# Altium PCB Passive_Sonar_Rev1.PcbDoc (part 2 of 2)
Units mil, origin at the board's own origin, x right, y up, seen from the top; angles counter-clockwise.
Board outline 4015 x 2015 mil, 4 copper layers (Top Layer, Power, Ground, Bottom Layer); 218 components, 117 nets, 707 pads, 249 vias.
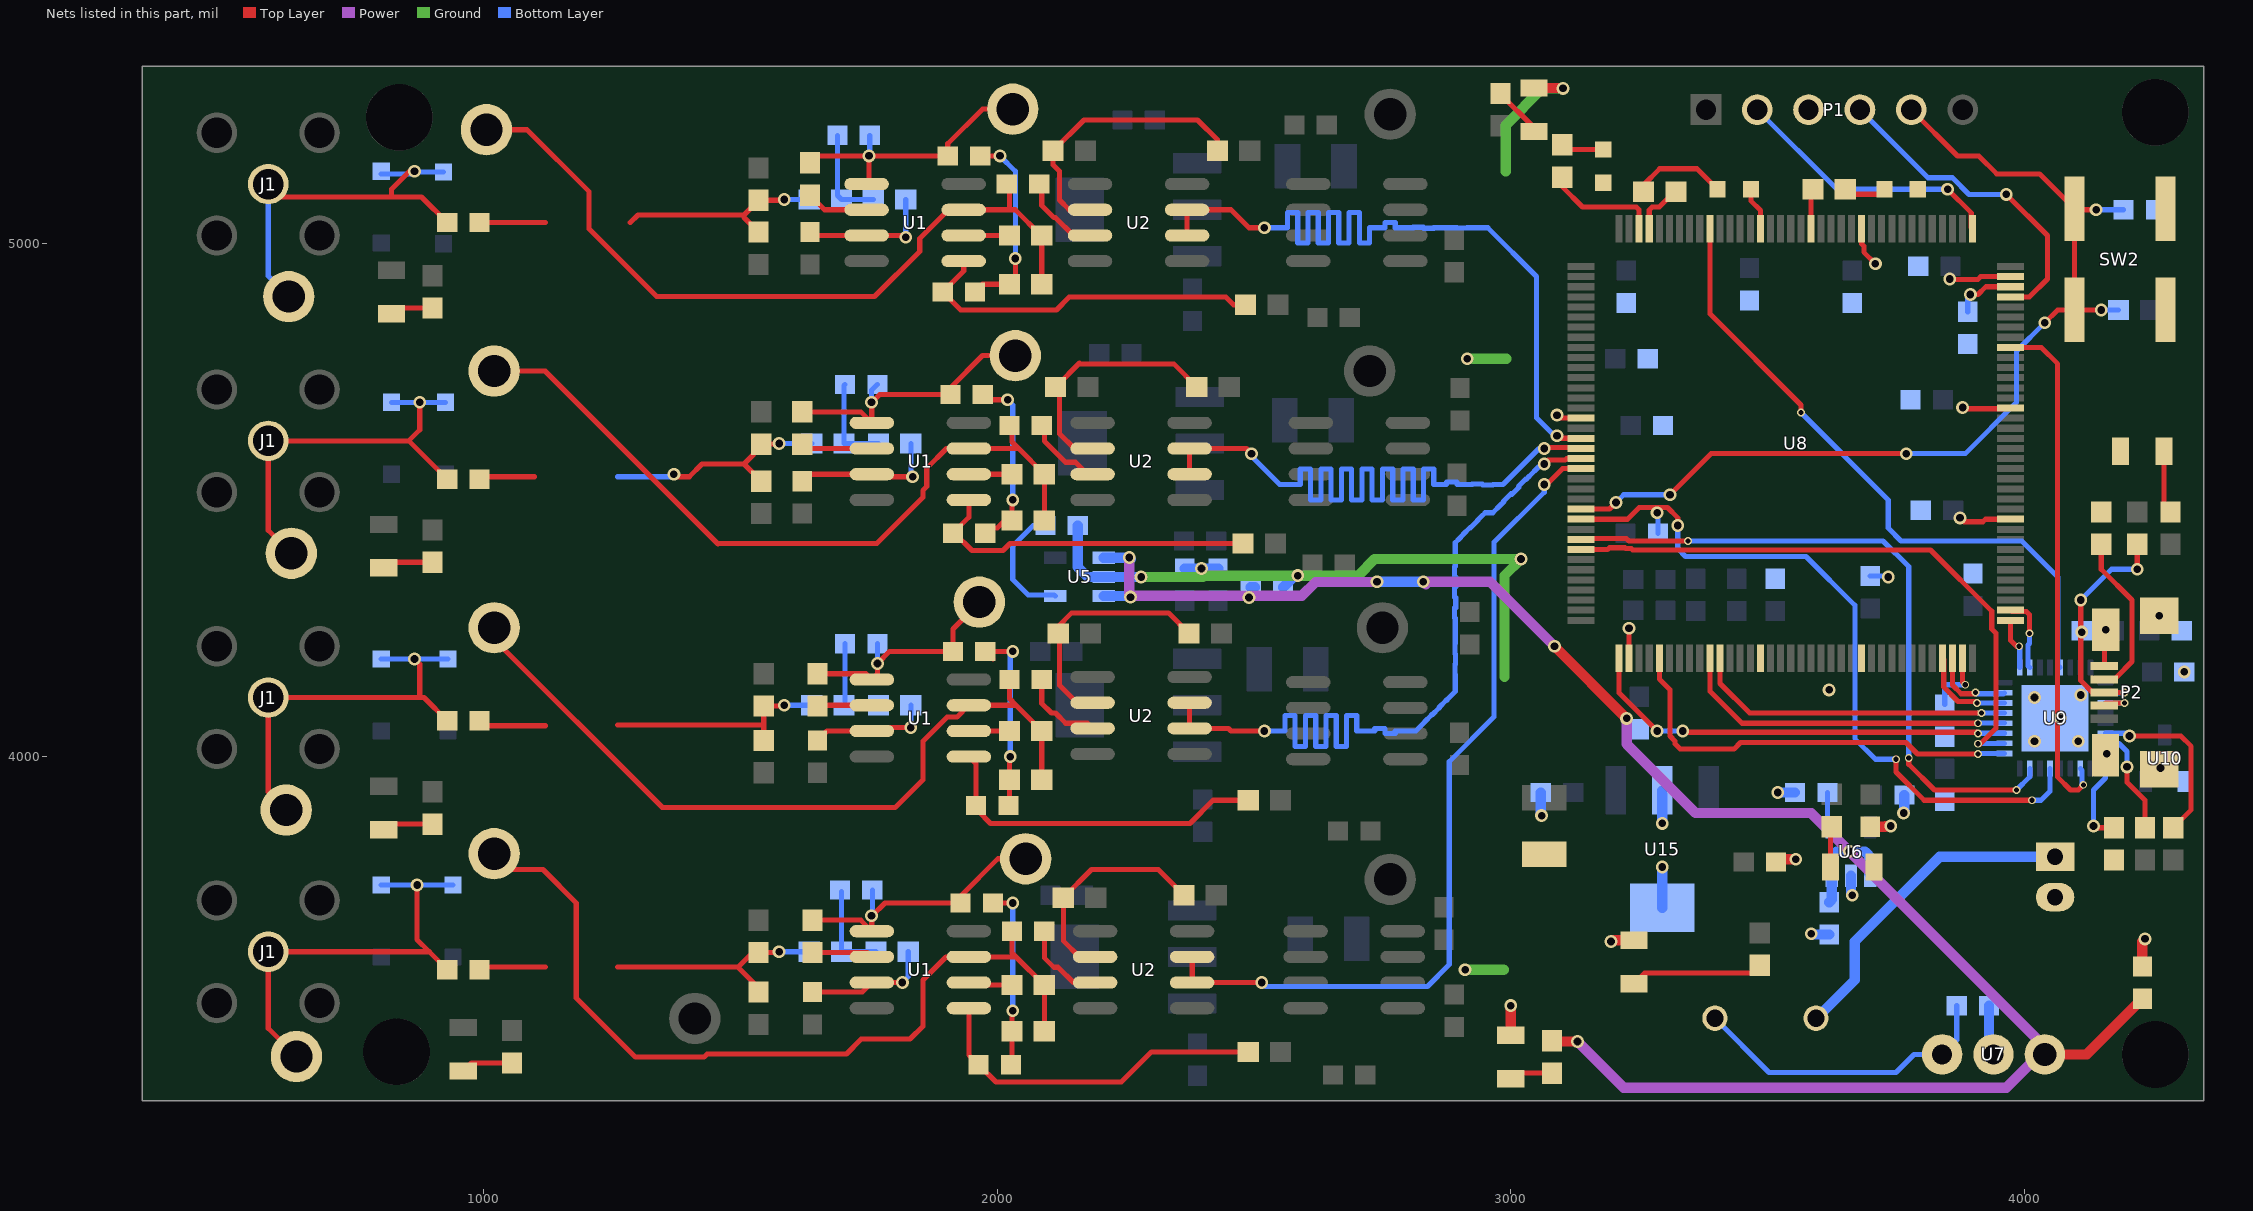
[diagram p4: the nets of this part, all layers, seen from the top]

## Via types
v1: diameter 25, hole 15, Top Layer to Bottom Layer, tented both sides, 79 vias
v2: diameter 25, hole 15, Top Layer to Ground, tented top, 46 vias
v3: diameter 25, hole 15, Top Layer to Power, tented top, 41 vias
v4: diameter 25, hole 15, Ground to Bottom Layer, tented bottom, 34 vias
v5: diameter 25, hole 15, Power to Bottom Layer, tented bottom, 29 vias
v6: diameter 15, hole 10, Top Layer to Bottom Layer, tented both sides, 19 vias
v7: diameter 25, hole 15, Top Layer to Bottom Layer, 1 vias

## Nets (pads, with @x,y where several pads share a name; then routed paths per layer and width w, separated by ;. In a path a pad name is that pad's centre, name@x,y a point inside that pad or via, vN(x,y) a via of type N, cw(c..) or ccw(c..) an arc to the next point about the centre after c; other vN are vias at no path point) (continued)
DGND: 3.3VD.C 5VA.C 5VD.C 9V.C C13.2 C14.2 C15.2 C16.2 C17.2 C18.2 C19.2 C20.2 C21.2 C22.2 C23.2 C24.2 C25.2 C26.2 C27.2 C28.2 C29.2 C30.2 C31.2 C32.2 C33.2 C34.2 C35.2 C36.2 C37.2 C38.2 C39.2 C40.2 C41.2 C42.2 C43.2 C48.2 C49.2 J5.2 NT1.2 NT2.2 NT3.2 NT4.2 P1.3 P2.5 P2.SHD PE0.C PE1.C PG10.C R19.2 R20.2 SW2.1 SW2.2 U5.2 U6.2 U7.2 U8.16 U8.38 U8.51 U8.61 U8.83 U8.94 U8.107 U8.120 U8.130 U9.33 U10.1 U15.2 U15.4 USB.C | length 2979.4
  Top Layer w10: v2@3090.79,4659.21 U8.16@3136.69,4659.21 ; v2@3230,4255 3230.2,4254.8 U8.38@3230.2,4191.69 ; PE0.C@3467.48,5105 3467.48,5082.52 3486.1,5063.9 U8.130@3486.1,5028.31 ; U8.120@3682.95,5028.31 3682.95,4998.87 3687.5,4994.32 3687.5,4982.5 v2(3710,4960) ; v2@3858.89,4928.89 3909.28,4928.89 3915.2,4934.8 U8.107@3973.31,4934.8 ; v2(3875,4465) 3882.5,4457.5 3919.32,4457.5 3924.18,4462.36 U8.83@3973.31,4462.36 ; v2@3882.5,4677.5 3971.91,4677.5 U8.94@3973.31,4678.9 ; P2.5@4156,4176.18 4156,4244.49 v2(4158.56,4247.05)
  Top Layer w20: 9V.C@3000,3457.32 v2(3000,3515) ; 5VA.C@3045,5302.32 v2@3097.32,5302.32 ; v2@3197.32,3642.32 3.3VD.C@3240,3642.32 ; C22.2@3516.5,3800 v2(3555,3800) ; C21.2@3700,3863.5 v2@3728.5,3863.5 ; v2@3730,3865 v2(3740,3865) ; C24.2@4230,3591.5 v2@4230,3640
  Ground w20: v4(2280,4350) 2400,4350 2397.5,4352.5 v4(2585,4352.5) 2702.5,4352.5 2735,4385 v2(3020,4385) 2987.76,4352.76 NT2.2@2987.76,4155 ; NT4.2@2990,5140 2990,5230 3061.5,5301.5 v2(3101.5,5301.5)
  Bottom Layer w10: C32.2@3286.5,4435 v4@3286.5,4473.5 ; C38.2@3700,4351.5 3733.5,4351.5 v4(3735,4350)
  Bottom Layer w20: C26.2@2156.5,4450 2156.5,4369.09 2175.59,4350 U5.2@2207.24,4350 v4(2280,4350) ; C16.2@2365,4366.5 v4(2397.5,4366.5) C17.2@2430,4366.5 ; C18.2@2556.5,4330 2579,4352.5 v4(2585,4352.5) ; v4@3058.5,3886.5 C14.2@3058.5,3930 ; U15.4@3295,3705.83 v4(3295,3785) ; v4(3295,3870) U15.2@3295,3934.17 ; v4(3520,3930) C27.2@3553.5,3930 ; v4@3586.5,3653.5 C15.2@3620,3653.5 ; v4@3662.5,3732.5 U6.2@3662.5,3767.76 ; v4@3766.5,3891.5 C13.2@3766.5,3925 ; C23.2@3931.5,3515 3931.5,3428.5 U7.2@3940,3420
  other v2: 2910.98,3585 3195,3640 4235,3645 4265.45,3977.95 4160.56,4005.51 3620,4130 3230,4250 4262.89,4274.61 3090,4665 3880,4680 2915,4775 3855,4930
  other v4: 3585,3655 3665,3730 3060,3885 3765,3890 4020,4030 4105,4030 4070,4075 4020,4115 4110,4120 4311.5,4165 4112.01,4242.5 3285,4475
FILTER_OUT1_A1: C6.1@2018.5,5115 R6.2@2086.5,5015 R7.1@2086.5,4920 T2.1@1005,5220.98 U1.7@1934.49,5065 | length 1511.6
  Top Layer w10: T2.1@1005,5220.98 1084.02,5220.98 1205,5100 1205,5027.5 1336.52,4895.98 1760.98,4895.98 1849,4984 1849,5009 1905,5065 U1.7@1934.49,5065 2025,5065 ; C6.1@2023.5,5115 2023.5,5066.5 2025,5065 ; R7.1@2081.5,4920 2086.5,4925 R6.2@2086.5,5015 2085.07,5015 2035.07,5065 2025,5065
FILTER_OUT1_A2: C6.1@2023.5,4645 R6.2@2091.5,4550 R7.1@2091.5,4460 T2.1@1020,4750.98 U1.7@1944.49,4600 | length 1477.1
  Top Layer w10: T2.1@1020,4750.98 1120,4750.98 ; 1120,4750 1455.98,4414.02 ; 1455.98,4415 1765,4415 1855,4505 1855,4518.61 1862.5,4526.11 1862.5,4561.54 1900.96,4600 U1.7@1944.49,4600 2041.5,4600 ; C6.1@2028.5,4645 2028.5,4612.99 2041.5,4600 ; R7.1@2091.5,4460 R6.2@2091.5,4550 2041.5,4600
FILTER_OUT1_A3: C6.1@2023.5,4150 R6.2@2086.5,4050 R7.1@2086.5,3955 T2.1@1020,4250.98 U1.7@1944.49,4100 | length 1524.2
  Top Layer w10: T2.1@1012.28,4236.09 1346.69,3901.69 ; T2.1@1020,4250.98 T2.1@1034.02,4250.98 ; 1346.69,3900.98 1800.98,3900.98 1855,3955 1855,4029.92 1901.89,4076.81 1921.3,4076.81 U1.7@1944.49,4100 2036.5,4100 ; C6.1@2023.5,4150 2023.5,4112.99 2036.5,4100 ; R7.1@2086.5,3955 R6.2@2086.5,4050 2036.5,4100
FILTER_OUT1_A4: C6.1@2028.5,3660 R6.2@2091.5,3555 R7.1@2091.5,3465 T2.1@1020,3810.98 U1.7@1944.49,3610 | length 1643.5
  Top Layer w10: T2.1@1020,3810.98 1050.98,3780 1115,3780 1180,3715 1180,3530 1295,3415 1429.02,3415 1435,3420.98 1705.98,3420.98 1735,3450 1830,3450 1855,3475 1855,3565 1900,3610 U1.7@1944.49,3610 2036.5,3610 ; C6.1@2028.5,3660 2028.5,3617.99 2036.5,3610 ; R7.1@2091.5,3465 R6.2@2091.5,3555 2036.5,3610
HYDRO1_A1: C1.1@928.5,5040 D1.1@800,5140 D2.2@921.43,5138.7 J1.1@580,5115 T1.1@620,4895.98 | length 794.9
  Top Layer w10: J1.1@585,5090 820,5090 ; v1(865,5140) 854.97,5140 820,5105.03 820,5090 ; C1.1@928.5,5031.5 C1.1@928.5,5040 878.5,5090 820,5090
  Bottom Layer w10: J1.1@580,5115 580,4935.98 T1.1@620,4895.98 ; D1.1@800,5135 860,5135 v1(865,5140) ; v1@876.43,5138.7 D2.2@921.43,5138.7
HYDRO1_A2: C1.1@928.5,4540 D1.1@820,4690 D2.2@925,4690 J1.1@580,4615 T1.1@625,4395.98 | length 809.5
  Top Layer w10: T1.1@625,4395.98 580,4440.98 J1.1@580,4615 853.5,4615 ; v1(875,4690) 875,4636.5 853.5,4615 ; C1.1@931.9,4540 C1.1@928.5,4540 853.5,4615
  Bottom Layer w10: D1.1@820,4690 D2.2@925,4690
HYDRO1_A3: C1.1@928.5,4070 D1.1@800,4190 D2.2@930,4190 J1.1@580,4115 T1.1@615,3895.98 | length 809.8
  Top Layer w10: T1.1@615,3895.98 580,3930.98 J1.1@580,4115 875,4115 ; v1(865,4190) 875,4180 875,4115 ; C1.1@928.5,4070 883.5,4115 875,4115
  Bottom Layer w10: D1.1@800,4190 v1(865,4190) D2.2@930,4190
HYDRO1_A4: C1.1@928.5,3585 D1.1@800,3750 D2.2@940,3750 J1.1@580,3620 T1.1@635,3415.98 | length 869.5
  Top Layer w10: T1.1@635,3415.98 580,3470.98 J1.1@580,3620 893.5,3620 ; v1(870,3750) 870,3643.5 893.5,3620 ; C1.1@928.5,3585 893.5,3620
  Bottom Layer w10: D1.1@800,3750 v1(870,3750) D2.2@940,3750
NetC1_A1_2: C1.2@991.5,5040 | length 130
  Top Layer w10: C1.2@990,5040 1120,5040
NetC1_A2_2: C1.2@991.5,4540 | length 103.5
  Top Layer w10: C1.2@995,4545 1098.5,4545
NetC1_A3_2: C1.2@991.5,4070 | length 132.6
  Top Layer w10: C1.2@991.5,4070 1001.5,4060 1120,4060
NetC1_A4_2: C1.2@991.5,3585 | length 130.6
  Top Layer w10: C1.2@991.5,3585 996.5,3590 1120,3590
NetC2_A1_1: C2.1@1635,5021.5 R4.2@1821.5,5085 U1.3@1745.51,5015 | length 264.1
  Top Layer w10: C2.1@1635,5021.5 1641.5,5015 U1.3@1745.51,5015 1817.99,5015 v1(1821.5,5011.5)
  Bottom Layer w10: v1(1821.5,5011.5) R4.2@1821.5,5085
NetC2_A2_1: C2.1@1620,4536.5 R4.2@1831.5,4610 U1.3@1755.51,4550 | length 284.2
  Top Layer w10: C2.1@1620,4536.5 1633.5,4550 U1.3@1755.51,4550 1760.51,4545 v1(1835,4545)
  Bottom Layer w10: v1@1831.5,4548.5 R4.2@1831.5,4610
NetC2_A3_1: C2.1@1650,4031.5 R4.2@1831.5,4100 U1.3@1755.51,4050 | length 235.4
  Top Layer w10: C2.1@1650,4031.5 1668.5,4050 U1.3@1755.51,4050 1762.01,4056.5 v1(1831.5,4056.5)
  Bottom Layer w10: v1(1831.5,4056.5) R4.2@1831.5,4100
NetC2_A4_1: C2.1@1640,3541.5 R4.2@1826.5,3620 U1.3@1755.51,3560 | length 247.4
  Top Layer w10: C2.1@1640,3541.5 1737.01,3541.5 U1.3@1755.51,3560 v1(1815,3560)
  Bottom Layer w10: v1(1815,3560) 1826.5,3571.5 R4.2@1826.5,3620
NetC3_A1_1: C3.1@1688.5,5210 R3.2@1696.5,5085 R4.1@1758.5,5085 | length 190.3
  Bottom Layer w10: C3.1@1688.5,5210 1688.5,5092.99 R3.2@1696.5,5085 R4.1@1758.5,5085
NetC3_A1_2: C3.2@1751.5,5210 C5.2@1903.5,5170 R5.2@1635,5156.5 T3.1@2030,5260.98 U1.1@1745.51,5115 | length 547.4
  Top Layer w10: R5.2@1635,5156.5 1648.5,5170 v1(1750,5170) ; U1.1@1745.51,5115 1750,5119.49 v1(1750,5170) ; T3.1@2030,5260.98 1970.98,5260.98 1903.5,5193.5 C5.2@1903.5,5170 v1(1750,5170)
  Bottom Layer w10: v1@1751.5,5171.5 C3.2@1751.5,5210
NetC3_A2_1: C3.1@1703.5,4725 R3.2@1701.5,4610 R4.1@1768.5,4610 | length 182.8
  Bottom Layer w10: C3.1@1703.5,4725 1701.5,4722.99 R3.2@1701.5,4610 R4.1@1768.5,4610
NetC3_A2_2: C3.2@1766.5,4725 C5.2@1908.5,4705 R5.2@1620,4671.5 T3.1@2035,4780.98 U1.1@1755.51,4650 | length 549
  Top Layer w10: R5.2@1620,4671.5 1734.02,4671.5 U1.1@1755.51,4650 1755.51,4689.49 1771.02,4705 C5.2@1908.5,4705 1908.5,4718.5 1970.98,4780.98 T3.1@2035,4780.98
  Bottom Layer w10: v1(1755,4690) 1755,4713.5 C3.2@1766.5,4725
NetC3_A3_1: C3.1@1703.5,4220 R3.2@1701.5,4100 R4.1@1768.5,4100 | length 187.8
  Bottom Layer w10: C3.1@1703.5,4220 1703.5,4102.01 R3.2@1701.5,4100 R4.1@1768.5,4100
NetC3_A3_2: C3.2@1766.5,4220 C5.2@1913.5,4205 R5.2@1650,4161.5 T3.1@1965,4300.98 U1.1@1755.51,4150 | length 457.1
  Top Layer w10: R5.2@1650,4161.5 1744.02,4161.5 U1.1@1755.51,4150 1766.5,4160.98 v1(1766.5,4181.5) 1790,4205 C5.2@1913.5,4205 1913.5,4248.5 1950.98,4285.98 T3.1@1970,4285.98
  Bottom Layer w10: v1(1766.5,4181.5) C3.2@1766.5,4220
NetC3_A4_1: C3.1@1693.5,3740 R3.2@1696.5,3620 R4.1@1763.5,3620 | length 184
  Bottom Layer w10: C3.1@1696.5,3737.01 R3.2@1696.5,3620 R4.1@1763.5,3620
NetC3_A4_2: C3.2@1756.5,3740 C5.2@1928.5,3715 R5.2@1640,3681.5 T3.1@2055,3800.98 U1.1@1755.51,3660 | length 558.1
  Top Layer w10: R5.2@1640,3681.5 1734.02,3681.5 U1.1@1755.51,3660 1755.51,3689.49 1781.02,3715 C5.2@1928.5,3715 1928.5,3728.5 2000.98,3800.98 T3.1@2055,3800.98
  Bottom Layer w10: v1(1755,3690) 1756.5,3691.5 C3.2@1756.5,3740
NetC4_A1_1: C4.1@1893.5,4905 R8.1@2483.5,4880 U1.5@1934.49,4965 | length 698
  Top Layer w10: U1.5@1934.49,4965 1934.49,4945.98 C4.1@1893.5,4905 1928.5,4870 2115,4870 2140,4895 2445,4895 2460,4880 R8.1@2483.5,4880
NetC4_A1_2: C4.2@1956.5,4905 C5.1@1966.5,5170 R7.2@2023.5,4920 | length 378.9
  Top Layer w10: C4.2@1956.5,4905 1971.5,4920 R7.2@2023.5,4920 2035,4931.5 v1(2035,4970) ; C5.1@1966.5,5170 v1(2005,5170)
  Bottom Layer w10: v1(2005,5170) 2035,5140 v1(2035,4970)
NetC4_A2_1: C4.1@1913.5,4435 R8.1@2478.5,4415 U1.5@1944.49,4500 | length 662.5
  Top Layer w10: U1.5@1944.49,4500 1944.49,4465.98 C4.1@1913.5,4435 1916.9,4435 1950.6,4401.3 2011.18,4401.3 2024.88,4415 R8.1@2478.5,4415
NetC4_A2_2: C4.2@1976.5,4435 C5.1@1971.5,4705 R7.2@2028.5,4460 | length 348.7
  Top Layer w10: C5.1@1971.5,4705 1981.5,4695 v1(2020,4695) ; C4.2@1976.5,4435 1986.5,4445 2000,4445 R7.2@2021.75,4466.75 ; R7.2@2028.5,4460 v1@2028.5,4498.5
  Bottom Layer w10: v1(2020,4695) 2030,4685 v1(2030,4500)
NetC4_A3_1: C4.1@1958.5,3905 R8.1@2488.5,3915 U1.5@1944.49,4000 | length 669.8
  Top Layer w10: U1.5@1944.49,4000 1958.5,3985.98 1958.5,3895 1961.9,3895 1986.9,3870 2375,3870 2420,3915 R8.1@2488.5,3915
NetC4_A3_2: C4.2@2021.5,3905 C5.1@1976.5,4205 R7.2@2023.5,3955 | length 361.2
  Top Layer w10: C5.1@1976.5,4205 C5.1@1991.5,4190 ; C5.1@1986.5,4205 v1@2020,4205 ; C4.2@2023.5,3897.01 R7.2@2023.5,3955 v1@2023.5,3998.5
  Bottom Layer w10: v1(2025,4000) v1@2025,4205
  other v1: 2030,4205
NetC4_A4_1: C4.1@1963.5,3400 R8.1@2488.5,3425 U1.5@1944.49,3510 | length 681.2
  Top Layer w10: U1.5@1944.49,3510 1944.49,3419.02 C4.1@1963.5,3400 1997.2,3366.3 2241.3,3366.3 2300,3425 R8.1@2488.5,3425
NetC4_A4_2: C4.2@2026.5,3400 C5.1@1991.5,3715 R7.2@2028.5,3465 | length 352.8
  Top Layer w10: C5.1@1991.5,3715 v1(2030,3715) ; C4.2@2026.5,3400 2028.5,3402.01 R7.2@2028.5,3465 v1@2028.5,3503.5
  Bottom Layer w10: v1(2030,3505) v1(2030,3715)
NetC6_A1_2: C6.2@2081.5,5115 U2.3@2180.51,5015 | length 159.7
  Top Layer w10: C6.2@2086.5,5115 2086.5,5073.5 2110.31,5049.69 2113.38,5049.69 2148.06,5015 U2.3@2180.51,5015
NetC6_A2_2: C6.2@2086.5,4645 U2.3@2185.51,4550 | length 141.2
  Top Layer w10: C6.2@2091.5,4645 2091.5,4614.6 2132.91,4573.19 2152.32,4573.19 U2.3@2175.51,4550
NetC6_A3_2: C6.2@2086.5,4150 U2.3@2185.51,4055 | length 165.6
  Top Layer w10: C6.2@2086.5,4150 2086.5,4103.5 2105.31,4084.69 2113.38,4084.69 2133.06,4065 2175.51,4065 U2.3@2185.51,4055
NetC6_A4_2: C6.2@2091.5,3660 U2.3@2190.51,3560 | length 170.8
  Top Layer w10: C6.2@2091.5,3660 2091.5,3608.19 2110,3589.69 2118.38,3589.69 2148.06,3560 U2.3@2190.51,3560
NetC23_1: C23.1 SW1.2 U7.1 | length 607.5
  Bottom Layer w10: SW1.2@3397.48,3490.51 3502.99,3385 3750,3385 3785,3420 U7.1@3840,3420 3868.5,3448.5 C23.1@3868.5,3515
NetC26_1: C26.1 U5.4 | length 241.2
  Bottom Layer w10: C26.1@2093.5,4450 2070,4450 2030,4410 2030,4345 2060,4315 2110.35,4315 U5.4@2112.76,4312.6
NetC27_1: C27.1 U6.4 | length 71.3
  Bottom Layer w10: C27.1@3616.5,3930 3616.5,3870.85 U6.4@3625.1,3862.24
NetL1_A1_2: R1.2@1535,5083.5 R2.1@1535,5021.5 R3.1@1633.5,5085 | length 411
  Top Layer w10: 1285,5040 1300,5055 1505,5055 ; R2.1@1535,5021.5 1506.5,5050 1506.5,5055 R1.2@1535,5083.5 1583.5,5083.5 v1(1585,5085)
  Bottom Layer w10: v1(1585,5085) R3.1@1633.5,5085
NetL1_A2_2: R1.2@1540,4608.5 R2.1@1540,4536.5 R3.1@1638.5,4610 | length 452.8
  Top Layer w10: v1(1370,4550) 1375,4545 1400,4545 1425,4570 1506.5,4570 ; R2.1@1540,4536.5 1506.5,4570 ; R1.2@1540,4608.5 R1.2@1545,4608.5 ; v1@1573.5,4608.5 R1.2@1545,4608.5 ; 1506.5,4570 R1.2@1545,4608.5
  Bottom Layer w10: 1260,4545 v1@1365,4545 ; v1(1575,4610) R3.1@1638.5,4610
NetL1_A3_2: R1.2@1545,4098.5 R2.1@1545,4031.5 R3.1@1638.5,4100 | length 444
  Top Layer w10: 1260,4061.5 1545,4061.5 ; R2.1@1545,4031.5 R1.2@1545,4098.5 v1@1583.5,4098.5
  Bottom Layer w10: v1(1585,4100) R3.1@1638.5,4100
NetL1_A4_2: R1.2@1535,3618.5 R2.1@1535,3541.5 R3.1@1633.5,3620 | length 448.9
  Top Layer w10: 1260,3590 1495,3590 ; R2.1@1535,3541.5 1535,3550 1495,3590 ; v1@1573.5,3618.5 R1.2@1535,3618.5 1523.5,3618.5 1495,3590
  Bottom Layer w10: v1(1575,3620) R3.1@1633.5,3620
NetLED1_A: 5VA.A R12.2 | length 100.7
  Top Layer w10: R12.2@2980,5291.5 2980,5290.07 3045,5225.07 5VA.A@3045,5217.68
NetLED2_A: 5VD.A R13.2 | length 84.1
  Top Layer w10: 5VD.A@3622.68,3785 3622.68,3861.22 3625,3858.9 R13.2@3625,3863.5
NetLED3_A: 3.3VD.A R14.2 | length 253.6
  Top Layer w10: 3.3VD.A@3240,3557.68 3260.83,3578.5 R14.2@3485,3578.5
NetLED4_A1_A: 3.3V.A@820,4862.68 R11.2@900,4873.5 | length 84.5
  Top Layer w10: 3.3V.A@820,4862.68 830.83,4873.5 R11.2@900,4873.5
NetLED4_A2_A: 3.3V.A@805,4367.68 R11.2@900,4378.5 | length 99.5
  Top Layer w10: 3.3V.A@805,4367.68 815.83,4378.5 R11.2@900,4378.5
NetLED4_A3_A: 3.3V.A@805,3857.68 R11.2@900,3868.5 | length 99.5
  Top Layer w10: 3.3V.A@805,3857.68 815.83,3868.5 R11.2@900,3868.5
NetLED4_A4_A: 3.3V.A@960,3387.68 R11.2@1055,3403.5 | length 101.6
  Top Layer w10: 3.3V.A@960,3387.68 975.83,3403.5 R11.2@1055,3403.5
NetLED5_A: 9V.A R15.2 | length 84.5
  Top Layer w10: 9V.A@3000,3372.68 3010.83,3383.5 R15.2@3080,3383.5
NetLED6_A: PG10.A R23.1 | length 79.8
  Top Layer w10: R23.1@3651.5,5105 3661.3,5095.2 PG10.A@3727.28,5095.2
NetLED7_A: PE0.A R24.1 | length 187.1
  Top Layer w10: R24.1@3258.5,5100 3258.5,5113.5 3290,5145 3362.52,5145 PE0.A@3402.52,5105
NetLED8_A: PE1.A R25.1 | length 83.7
  Top Layer w10: R25.1@3100,5191.5 3109.02,5182.48 PE1.A@3180,5182.48
NetP2_4: P2.4 R19.1 | length 321.6
  Top Layer w10: R19.1@4150,4413.5 4150,4365 4210,4305 4210,4185 4205.14,4180.14 4185,4160 4175.59,4150.59 P2.4@4156,4150.59
NetR5_A1_1: R5.1@1635,5093.5 U1.2@1745.51,5065 | length 122.3
  Top Layer w10: R5.1@1635,5093.5 1663.5,5065 U1.2@1745.51,5065
NetR5_A2_1: R5.1@1620,4608.5 U1.2@1755.51,4600 | length 139
  Top Layer w10: R5.1@1620,4608.5 1628.5,4600 U1.2@1755.51,4600
NetR5_A3_1: R5.1@1650,4098.5 U1.2@1755.51,4100 | length 106.1
  Top Layer w10: R5.1@1650,4098.5 1651.5,4100 U1.2@1755.51,4100
NetR5_A4_1: R5.1@1640,3618.5 U1.2@1755.51,3610 | length 119
  Top Layer w10: R5.1@1640,3618.5 1747.01,3618.5 U1.2@1755.51,3610
NetR6_A1_1: R6.1@2023.5,5015 U1.6@1934.49,5015 | length 89
  Top Layer w10: U1.6@1934.49,5015 R6.1@2023.5,5015
NetR6_A2_1: R6.1@2028.5,4550 U1.6@1944.49,4550 | length 84
  Top Layer w10: U1.6@1944.49,4550 R6.1@2028.5,4550
NetR6_A3_1: R6.1@2023.5,4050 U1.6@1944.49,4050 | length 79
  Top Layer w10: U1.6@1944.49,4050 R6.1@2023.5,4050
NetR6_A4_1: R6.1@2028.5,3555 U1.6@1944.49,3560 | length 86.1
  Top Layer w10: U1.6@1944.49,3560 1949.49,3555 R6.1@2028.5,3555
NetR9_A1_2: R9.2@2428.5,5180 R10.1@2108.5,5180 U2.2@2180.51,5065 | length 550.9
  Top Layer w10: U2.2@2180.51,5065 2140,5065 2121.18,5083.82 2121.18,5139.91 2108.5,5152.59 R10.1@2108.5,5180 2168.5,5240 2390,5240 2428.5,5201.5 R9.2@2428.5,5180
NetR9_A2_2: R9.2@2388.5,4720 R10.1@2113.5,4720 U2.2@2185.51,4600 | length 485
  Top Layer w10: R10.1@2113.5,4720 R10.1@2116,4722.5 ; 2160,4765 2343.5,4765 R9.2@2388.5,4720 ; 2160,4766.5 R10.1@2116,4722.5 ; U2.2@2185.51,4600 2150,4600 2121.18,4628.82 2121.18,4717.32 R10.1@2116,4722.5
NetR9_A3_2: R9.2@2373.5,4240 R10.1@2118.5,4240 U2.2@2185.51,4105 | length 476.7
  Top Layer w10: U2.2@2185.51,4105 2155,4105 2121.18,4138.82 2121.18,4237.32 R10.1@2118.5,4240 2118.5,4253.5 2145,4280 2333.5,4280 R9.2@2373.5,4240
NetR9_A4_2: R9.2@2363.5,3730 R10.1@2128.5,3725 U2.2@2190.51,3610 | length 437.1
  Top Layer w10: U2.2@2190.51,3610 2160,3610 2128.5,3641.5 R10.1@2128.5,3725 2183.5,3780 2313.5,3780 R9.2@2363.5,3730
NetR17_1: R17.1 USB.A | length 123.8
  Top Layer w10: USB.A@4272.32,4595 4272.32,4489.17 R17.1@4285,4476.5
NetR20_1: R20.1 U9.24 | length 192.3
  Top Layer w10: v1(4135,3865) 4138.5,3861.5 R20.1@4175,3861.5
  Bottom Layer w10: v1(4135,3865) 4135,3935 4158.43,3958.43 U9.24@4158.43,4006.1
NetR21_1: R21.1 U9.23 | length 211.1
  Top Layer w10: v1(4200,3980) 4200,3950 4235,3915 R21.1@4235,3861.5
  Bottom Layer w10: U9.23@4158.43,4025.79 4184.21,4025.79 4200,4010 v1(4200,3980)
NetR22_1: R22.1 U9.22 | length 357.5
  Top Layer w10: v1(4204.76,4040.24) 4304.76,4040.24 4325,4020 4325,3896.5 R22.1@4290,3861.5
  Bottom Layer w10: U9.22@4158.43,4045.47 4199.53,4045.47 v1(4204.76,4040.24) v1@4210,4035
NetU2_A1_6: U2.6@2369.49,5015 U2.7@2369.49,5065 U8.18 | length 1667.7
  Top Layer w10: U2.6@2369.49,5015 U2.7@2369.49,5065 2455,5065 2490,5030 v1(2520,5030) ; v1@3090,4620 3136.54,4620 U8.18@3136.69,4619.84
  Bottom Layer w10: v1(2520,5030) 2555,5030 2565,5030 2565,5060 2585,5060 2585,5030 2585,5000 2605,5000 2605,5030 2605,5060 2625,5060 2625,5030 2625,5000 2645,5000 2645,5030 2645,5060 2665,5060 2665,5030 2665,5000 2685,5000 2685,5030 2685,5060 2705,5060 2705,5030 2705,5000 2725,5000 2725,5030 2740,5030 2745,5030 2755,5030 2755,5040 2775,5040 2775,5030 2780,5030 2800,5030 2810,5030 2810,5031 2830,5031 2830,5030 2830,5029 2850,5029 2850,5030 2865,5030 2875,5030 2895,5030 2895,5029.5 2915,5029.5 2915,5030 2920,5030 2955,5030 3050,4935 3050,4660 v1@3090,4620
  other v1: 3090,4625
NetU2_A2_6: U2.6@2374.49,4550 U2.7@2374.49,4600 U8.19 | length 1668
  Top Layer w10: U2.6@2374.49,4550 U2.7@2374.49,4600 2485,4600 v1(2495,4590) ; v1@3065,4602.16 3134.69,4602.16 U8.19@3136.69,4600.16
  Bottom Layer w10: v1(2495,4590) 2495,4585 2550,4530 2580,4530 2590,4530 2590,4560 2610,4560 2610,4530 2610,4500 2630,4500 2630,4530 2630,4560 2650,4560 2650,4530 2650,4500 2670,4500 2670,4530 2670,4560 2690,4560 2690,4530 2690,4500 2710,4500 2710,4530 2710,4560 2730,4560 2730,4530 2730,4500 2750,4500 2750,4530 2750,4560 2770,4560 2770,4530 2770,4500 2790,4500 2790,4530 2790,4560 2810,4560 2810,4530 2810,4500 2830,4500 2830,4530 2830,4560 2850,4560 2850,4530 2855,4530 2865,4530 2875,4530 2875,4535 2895,4535 2895,4530 2905,4530 2915,4530 2925,4530 2925,4531 2945,4531 2945,4530 2945,4529 2965,4529 2965,4530 2985,4530 3055,4600 v1(3065,4600)
NetU2_A3_6: U2.6@2374.49,4055 U2.7@2374.49,4105 U8.20 | length 1667.9
  Top Layer w10: U2.7@2374.49,4105 2374.49,4060 2369.49,4055 U2.6@2374.49,4055 2450,4055 2455,4050 v1(2520,4050) ; v1@3065,4572.5 v1(3065,4570) 3072.5,4577.5 3105.8,4577.5 3108.77,4580.47 U8.20@3136.69,4580.47
  Bottom Layer w10: v1(2520,4050) 2550,4050 2560,4050 2560,4080 2580,4080 2580,4050 2580,4020 2600,4020 2600,4050 2600,4080 2620,4080 2620,4050 2620,4020 2640,4020 2640,4050 2640,4080 2660,4080 2660,4050 2660,4020 2680,4020 2680,4050 2680,4080 2700,4080 2700,4050 2715,4050 2725,4050 2735,4050 2735,4055 2755,4055 2755,4050 2755,4045 2775,4045 2775,4050 2785,4050 2815,4050 2825,4060 2832.07,4067.07 2831.72,4067.42 2845.86,4081.57 2846.21,4081.21 2846.57,4080.86 2860.71,4095 2860.36,4095.36 2860,4095.71 2874.14,4109.85 2874.5,4109.5 2880,4115 2891.67,4126.67 2891.67,4150 2891.67,4160 2891.17,4160 2891.17,4180 2891.67,4180 2892.17,4180 2892.17,4200 2891.67,4200 2891.17,4200 2891.17,4220 2891.67,4220 2891.67,4235 2891.67,4260 2891.67,4270 2890.67,4270 2890.67,4290 2891.67,4290 2892.67,4290 2892.67,4310 2891.67,4310 2890.67,4310 2890.67,4330 2891.67,4330 2892.67,4330 2892.67,4350 2891.67,4350 2890.67,4350 2890.67,4370 2891.67,4370 2891.67,4385 2891.67,4416.67 2900,4425 2907.07,4432.07 2906.72,4432.42 2920.86,4446.57 2921.21,4446.21 2921.57,4445.86 2935.71,4460 2935.36,4460.36 2942.5,4467.5 2950,4475 2965,4475 2980,4490 2987.07,4497.07 2986.36,4497.78 3000.51,4511.92 3001.21,4511.21 3001.92,4510.51 3016.06,4524.65 3015.36,4525.36 3014.65,4526.06 3028.79,4540.2 3029.5,4539.5 3035,4545 v1@3055,4565 ; v1(3065,4570) v1@3065,4572.5
NetU2_A4_6: U2.6@2379.49,3560 U2.7@2379.49,3610 U8.21 | length 1667.3
  Top Layer w10: U2.7@2379.49,3610 U2.6@2379.49,3560 v1(2515,3560) ; v1(3065,4530) 3070,4530 3100.79,4560.79 U8.21@3136.69,4560.79
  Bottom Layer w10: v1(2515,3560) 2522.5,3552.5 2837.5,3552.5 2880,3595 2880,3990 2967.5,4077.5 2967.5,4417.5 3065,4515 v1(3065,4530)
NetU8_26: U8.26 U9.29 | length 1414.8
  Top Layer w10: U8.26@3136.69,4462.36 3227.36,4462.36 3250,4485 3305,4485 3325,4465 v1(3325,4450) ; v6@3750,3997.5 v6(3750,3995) 3750,3970 3805,3915 v6(4015,3915)
  Bottom Layer w10: v1(3325,4450) 3325,4405 3340,4390 3575,4390 3670,4295 3670,4035 3710,3995 v6(3750,3995) ; v6(4015,3915) 4015.08,3915.08 4032.58,3915.08 4050.16,3932.66 U9.29@4050.16,3976.57
NetU8_28: U8.28 U9.31 | length 1329.9
  Top Layer w10: U8.28@3136.69,4422.99 3138.7,4425 3225,4425 3230,4420 v6(3345,4420) ; v6(3775,3997.5) 3775,3985 3825,3935 v6(3985,3935)
  Bottom Layer w10: v6(3345,4420) 3725,4420 3775,4370 v6(3775,3997.5) ; v6(3985,3935) 4010.79,3960.79 U9.31@4010.79,3976.57
NetU8_29: U8.29 U9.2 | length 1182.5
  Top Layer w10: U8.29@3136.69,4403.31 3188.31,4403.31 3191.89,4406.89 3221.89,4406.89 3223.79,4405 3235,4405 3237.5,4402.5 3817.5,4402.5 3936.73,4283.27 3936.73,4248.62 3945,4240.35 3945,4055.25 3914.75,4025 v6(3910,4025)
  Bottom Layer w10: v6@3910.79,4025.79 U9.2@3961.57,4025.79
NetU8_37: U8.37 U9.3 | length 849.7
  Top Layer w10: U8.37@3210.51,4191.69 3210.51,4124.49 v1(3285,4050) ; v1@3335,4047.5 3907.5,4047.5 v6(3910,4045)
  Bottom Layer w10: v1(3285,4050) v1(3335,4050) ; v6@3910.47,4045.47 U9.3@3961.57,4045.47
NetU8_41: U8.41 U9.1 | length 838.5
  Top Layer w10: U8.41@3289.25,4191.69 3289.25,4151 3310,4130.25 3310,4040 3320,4030 3320,4025 3330,4015 3435,4015 3447.5,4027.5 3769.75,4027.5 3792.25,4005 v6(3910,4005)
  Bottom Layer w10: v6@3911.1,4006.1 U9.1@3961.57,4006.1
NetU8_46: U8.46 U9.4 | length 663.9
  Top Layer w10: U8.46@3387.68,4191.69 3387.68,4127.32 3450,4065 v6(3910,4065)
  Bottom Layer w10: v6@3910.16,4065.16 U9.4@3961.57,4065.16
NetU8_47: U8.47 U9.5 | length 640.5
  Top Layer w10: U8.47@3407.36,4191.69 3407.36,4142.64 3465.16,4084.84 3916.57,4084.84 v6(3916.73,4085)
  Bottom Layer w10: v6(3916.73,4085) 3910.31,4085 3910.16,4084.84 U9.5@3961.57,4084.84
NetU8_69: U8.69 U9.6 | length 188.6
  Top Layer w10: U8.69@3840.43,4191.69 3843.23,4188.9 3843.23,4135.32 3871.05,4107.5 3905,4107.5 v6(3907.97,4104.53)
  Bottom Layer w10: v6(3907.97,4104.53) U9.6@3961.57,4104.53
NetU8_70: U8.70 U9.7 | length 159.8
  Top Layer w10: U8.70@3860.12,4191.69 3860.12,4139.65 3877.27,4122.5 3902.5,4122.5 v6(3905,4125)
  Bottom Layer w10: v6@3907.5,4122.5 3959.86,4122.5 U9.7@3961.57,4124.21
NetU8_73: U8.73 U9.9 | length 101.9
  Top Layer w10: U8.73@3973.31,4265.51 3973.31,4226.69 3985,4215 v6(3990,4215)
  Bottom Layer w10: U9.9@3991.1,4173.43 v6@3991.1,4215
NetU8_74: U8.74 U9.10 | length 145.7
  Top Layer w10: U8.74@3973.31,4285.2 3976.1,4282.4 4004.02,4282.4 4009.88,4276.54 4009.88,4240.12 v6(4010,4240)
  Bottom Layer w10: v6(4010,4240) 4010,4220.11 4007.5,4217.61 4007.5,4176.71 U9.10@4010.79,4173.43
NetU8_100: U8.100 U9.26 | length 1010.8
  Top Layer w10: U8.100@3973.31,4797.01 4032.99,4797.01 4065,4765 4065,3960 4090,3935 4105,3935 v6(4115,3945)
  Bottom Layer w10: U9.26@4109.21,3976.57 4112.5,3973.29 v6@4112.5,3941.62
NetU8_135: U8.135 U9.13 | length 1275.1
  Top Layer w10: U8.135@3387.68,5028.31 3387.68,4862.32 3565,4685 v6(3565,4670)
  Bottom Layer w10: v6(3565,4670) 3735,4500 3735,4445 3760,4420 3995,4420 4065.67,4349.33 4065.67,4177.6 U9.13@4069.84,4173.43
PE0: R24.2 U8.141 | length 102.9
  Top Layer w10: U8.141@3269.57,5028.31 3269.57,5064.57 3275.31,5070.31 3289.17,5070.31 3318.86,5100 R24.2@3321.5,5100
PE1: R25.2 U8.142 | length 224
  Top Layer w10: R25.2@3100,5128.5 3100,5110 3139.69,5070.31 3245,5070.31 3245,5070 3249.88,5065.12 U8.142@3249.88,5028.31
PG10: R23.2 U8.125 | length 82.7
  Top Layer w10: U8.125@3584.53,5028.31 3584.53,5106.54 R23.2@3587.68,5109.69
R\S\T\: C33.1 P1.5 R16.2 SW2.3 SW2.4 U8.25 | length 1957.2
  Top Layer w10: U8.25@3136.69,4482.05 3192.05,4482.05 v7(3205,4495) ; v1(3310,4510) 3390,4590 v1(3770,4590) ; P1.5@3780,5260 3870,5170 3911.21,5170 3946.21,5135 4029.68,5135 SW2.3@4097.83,5066.85 ; v1(4040,4845) 4065,4870 SW2.4@4097.83,4870 ; v1(4140,5065) 4099.69,5065 SW2.3@4097.83,5066.85 ; v1(4150,4870) SW2.4@4097.83,4870 ; SW2.4@4097.83,4870 SW2.3@4097.83,5066.85
  Bottom Layer w10: v7(3205,4495) 3220,4510 v1(3310,4510) ; v1(3770,4590) 3885,4590 3985,4690 3985,4790 v1(4040,4845) ; v1(4140,5065) C33.1@4193.5,5065 ; v1(4150,4870) R16.2@4183.5,4870
SWCLK: P1.2 U8.109 | length 541.8
  Top Layer w10: P1.2@3480,5250 P1.2@3480,5260 ; v1(3850.72,5105) 3896.69,5059.02 3896.69,5031.1 U8.109@3899.49,5028.31
  Bottom Layer w10: P1.2@3480,5260 3635,5105 v1(3850.72,5105)
SWDIO: P1.4 U8.105 | length 637.5
  Top Layer w10: v1(3965,5095) 4045,5015 4045,4930 4010.43,4895.43 U8.105@3973.31,4895.43
  Bottom Layer w10: P1.4@3680,5260 3812.5,5127.5 3860.04,5127.5 3892.54,5095 v1(3965,5095)
USB_N: P2.2 U9.19 | length 73.1
  Top Layer w10: P2.2@4158.43,4104.53 v6(4195,4104.53)
  Bottom Layer w10: U9.19@4158.43,4104.53 v6(4195,4104.53)
USB_P: P2.3 R18.2 U9.18 | length 465.7
  Top Layer w10: v1(4110,4305) 4110,4148 4133,4125 P2.3@4156,4125 v6@4190,4125 ; v1(4220,4365) R18.2@4220,4413.5
  Bottom Layer w10: v1(4110,4305) 4170,4365 v1(4220,4365) ; U9.18@4158.43,4124.21 v6@4194.21,4124.21
  other v6: 4195,4125
V9: C15.1 C18.1 C24.1 R15.1 U5.1 U5.3 U6.1 U6.3 U7.3 | length 3864
  Top Layer w20: R15.1@3080,3446.5 3081.5,3445 v3(3130,3445) ; v3(3085,4215) v3@3225,4075 ; U7.3@4040,3420 4121.5,3420 C24.1@4230,3528.5
  Power w20: v5(2256.85,4387.95) 2256.85,4313.15 2593.15,4313.15 2620,4340 v5@2740,4340 ; v5(2829.45,4340.55) 2959.45,4340.55 v3(3085,4215) ; v5@2830,4340 v5@2835,4335 ; v3(3130,3445) 3220,3355 3965,3355 4030,3420 U7.3@4040,3420 ; v3(3225.55,4074.45) 3225.55,4024.45 3360,3890 3585,3890 v5(3659.45,3815.55) U7.3@4047.5,3427.5
  Bottom Layer w20: U5.3@2207.24,4312.6 v5@2257.4,4312.6 ; U5.1@2207.24,4387.4 2257.4,4387.4 v5@2260,4384.8 ; C18.1@2493.5,4330 C18.1@2501.81,4330 ; v5(2739.45,4340.55) v5(2829.45,4340.55) ; C15.1@3620,3716.5 3625.1,3721.59 U6.3@3625.1,3767.76 ; U6.3@3622.6,3772.76 3622.6,3802.6 3635,3815 3690,3815 3697.4,3807.6 U6.1@3697.4,3772.76
  other v5: 2490,4310 2259.45,4310.55
V_CAP1: C19.1 U8.71 | length 129.4
  Top Layer w10: U8.71@3879.8,4191.69 3879.8,4145.2 v6(3885,4140)
  Bottom Layer w10: C19.1@3845,4101.5 3845,4135 3850,4140 v6(3885,4140)
V_CAP2: C25.1 U8.106 | length 115.1
  Top Layer w10: v1@3900,4900 3910,4900 3925.12,4915.12 U8.106@3973.31,4915.12
  Bottom Layer w10: C25.1@3890,4866.5 3890,4895 v1(3895,4900)
VIN: J5.1 SW1.1 | length 639.5
  Bottom Layer w20: SW1.1@3594.92,3489.92 3670,3565 3670,3640 3835,3805 J5.1@4060,3805
pads on no net: P1.6 U3.1 U3.3 U3.5 U3.7 U3.8 U8.1 U8.2 U8.3 U8.4 U8.5 U8.7 U8.8 U8.9 U8.10 U8.11 U8.12 U8.13 U8.14 U8.15 U8.22 U8.23 U8.24 U8.27 U8.34 U8.35 U8.36 U8.40 U8.42 U8.43 U8.44 U8.45 U8.48 U8.49 U8.50 U8.53 U8.54 U8.55 U8.56 U8.57 U8.58 U8.59 U8.60 U8.63 U8.64 U8.65 U8.66 U8.67 U8.68 U8.75 U8.76 U8.77 U8.78 U8.79 U8.80 U8.81 U8.82 U8.85 U8.86 U8.87 U8.88 U8.89 U8.90 U8.91 U8.92 U8.93 U8.96 U8.97 U8.98 U8.99 U8.101 U8.102 U8.103 U8.104 U8.110 U8.111 U8.112 U8.113 U8.114 U8.115 U8.116 U8.117 U8.118 U8.119 U8.122 U8.123 U8.124 U8.126 U8.127 U8.128 U8.129 U8.132 U8.133 U8.134 U8.136 U8.137 U8.138 U8.139 U8.140 U9.12 U9.15 U9.16 U9.17 U9.25
copper on no net:
  other v1: 1850,3835 1830,4350 1795,4820

## Polygon pours and split planes (outlines as drawn)
AGND on Ground "AGND_Plane" (solid, pour order 21): 2946.7,5320 415,5320 415,3350 2955,3350 2946.7,3356.46 2946.7,5320
DGND on Ground "DGND" (solid, pour order 22): 2950,5325 4345,5325 4345,3350 2947.3,3350 2946.7,3350.6 2946.7,5320
3.3VA1 on Power "3.3VA1" (solid, pour order 31): 1505,5185 2870,5185 2870,4895 2864.71,4900 1505,4900 1505,5185
3.3VA1 on Power "3.3VA2" (solid, pour order 29): 1510,4720 2875,4720 2875,4430 2869.71,4435 1510,4435 1510,4720
3.3VA1 on Power "3.3VA3" (solid, pour order 26): 1510,4220 2870,4220 2870,3930 2864.73,3935 1510,3935 1510,4220
3.3VA1 on Power "3.3VA4" (solid, pour order 24): 1510,3730 2870,3730 2870,3440 2864.73,3445 1510,3445 1510,3730
3.3VD on Power "3.3VD" (solid, pour order 25): 2955,5325 4335,5325 4335,3350 4330,3345 2955,3345 2955,5325
5VA on Bottom Layer "AGND" (solid, pour order 17): 410,5325 2950,5325 2950,3340 415,3340 410,3345 410,3340 410,5325
DGND on Bottom Layer "DGND" (solid, pour order 28): 2979.93,5325 4335,5325 4335,3340 2975,3340 2979.93,3345 2979.93,5325
AGND on Top Layer "AGND" (solid, pour order 34): 2350,5315 2350,3350 420,3350 420,5315 2350,5315
AVREF1_A1 on Top Layer "AVref" (solid, pour order 23): 2935,5315 2935,4825 2355,4825 2365,4835 2365,5315 2935,5315
2.5VREF on Top Layer "AVref" (solid, pour order 27): 2365,4815 2370,4810 2935,4810 2935,4325 2365,4325 2365,4810
AVREF1_A3 on Top Layer "AVref" (solid, pour order 32): 2365,4315 2935,4315 2935,3825 2365,3825 2365,4315
AVREF1_A4 on Top Layer "AVref" (solid, pour order 33): 2365,3815 2935,3815 2935,3350 2365,3350 2365,3815
DGND on Top Layer "DGND" (solid, pour order 30): 2955,5325 4325,5325 4325,3350 2955,3350 2955,5325

## Keep-outs
Keep-Out Layer:
  the board outline again, w10

## Other copper
Ground:
  pour cut-out: 2855,4820 415,4820 415,4842.4 1680,4840 2855,4840

## Silkscreen, mask and mechanical layers (free items; w line width, h text height)
Top Overlay:
  lines w10: 229.01,3380.91 249.01,3320.91 ; 229.01,5260.91 249.01,5320.91 ; 239.01,3320.91 259.01,3320.91 ; 239.01,5320.91 259.01,5320.91 ; 249.01,4040 249.01,3320.91 ; 249.01,4601.83 249.01,5320.91 ; 269.01,3380.91 249.01,3320.91 ; 269.01,5260.91 249.01,5320.91 ; 335.91,3250.99 335.91,3270.99 ; 395.91,3240.99 335.91,3260.99 ; 395.91,3280.99 335.91,3260.99 ; 415,3455 550,3455 550,3350 ; 415,3825 415,3345 2940,3345 ; 415,3925 550,3925 550,3820 ; 415,4425 550,4425 550,4320 ; 2055,3260.99 335.91,3260.99 ; 2616.83,3260.99 4335.91,3260.99 ; 2940,3820 415,3820 415,4320 ; 2940,4320 415,4320 ; 2945,3345 2945,3825 ; 2945,3820 2945,4320 2945,4725 ; 2945,4820 415,4820 ; 4275.91,3240.99 4335.91,3260.99 ; 4275.91,3280.99 4335.91,3260.99 ; 4335.91,3250.99 4335.91,3270.99 ; 415,4320 415,4820 ; 415,4820 415,5320 ; 415,4820 415,5320 ; 415,4820 415,5320 ; 415,5320 2945,5320 ; 415,5320 2945,5320 ; 415,5320 2945,5320 ; 550,4925 550,4820 550,4925 ; 550,4925 415,4925 550,4925 ; 2945,4725 2945,5320 ; 2945,4725 2945,5320
  text "3.3VD" at 3340,5180 h30
  text "SWCLK" at 3430,5180 h30
  text "DGND" at 3540,5180 h30
  text "SWDIO" at 3640,5180 h30
  text "nRST" at 3740,5180 h30
  text "A1" at 445,4845 h60
  text "Jake Easterling" at 3010,4565 h80 r90
  text "Spring 2015" at 3080,4435 h80 r90
  text "A2" at 435,4340 h60
  text "Engineered By:" at 3005,4070 h80 r90
  text "2000 (mil)" at 285,4050 h60 r90
  text "+ -" at 3860,3855 h60 r270
  text "Vin" at 3935,3850 h60 r270
  text "A3" at 430,3840 h60
  text "A4" at 435,3365 h60
  text "4000 (mil)" at 2065,3225 h60
Bottom Overlay:
  lines w10: 415,3455 550,3455 550,3345 ; 415,3820 2945,3820 ; 415,3925 550,3925 550,3820 ; 415,4320 2945,4320 ; 415,4425 550,4425 550,4320 ; 415,4820 2945,4820 ; 415,4925 550,4925 550,4820 ; 415,3345 2945,3345 2945,5320 415,5320 415,3345 ; 3155,4210 3155,5010 3955,5010 3955,4210 3155,4210
  text "A1" at 520,4845 h60
  text "A2" at 530,4340 h60
  text "A3" at 530,3840 h60
  text "A4" at 530,3365 h60

## Text inside footprints (layer, text, board x,y; h text height)
SW1: Top Overlay "On" at 3180,3440 h60